# Allegro board RK_NVR_DEMO1_RK3588_LP4XD200P232SD8_V21_20211228_final_lint.brd (continued)
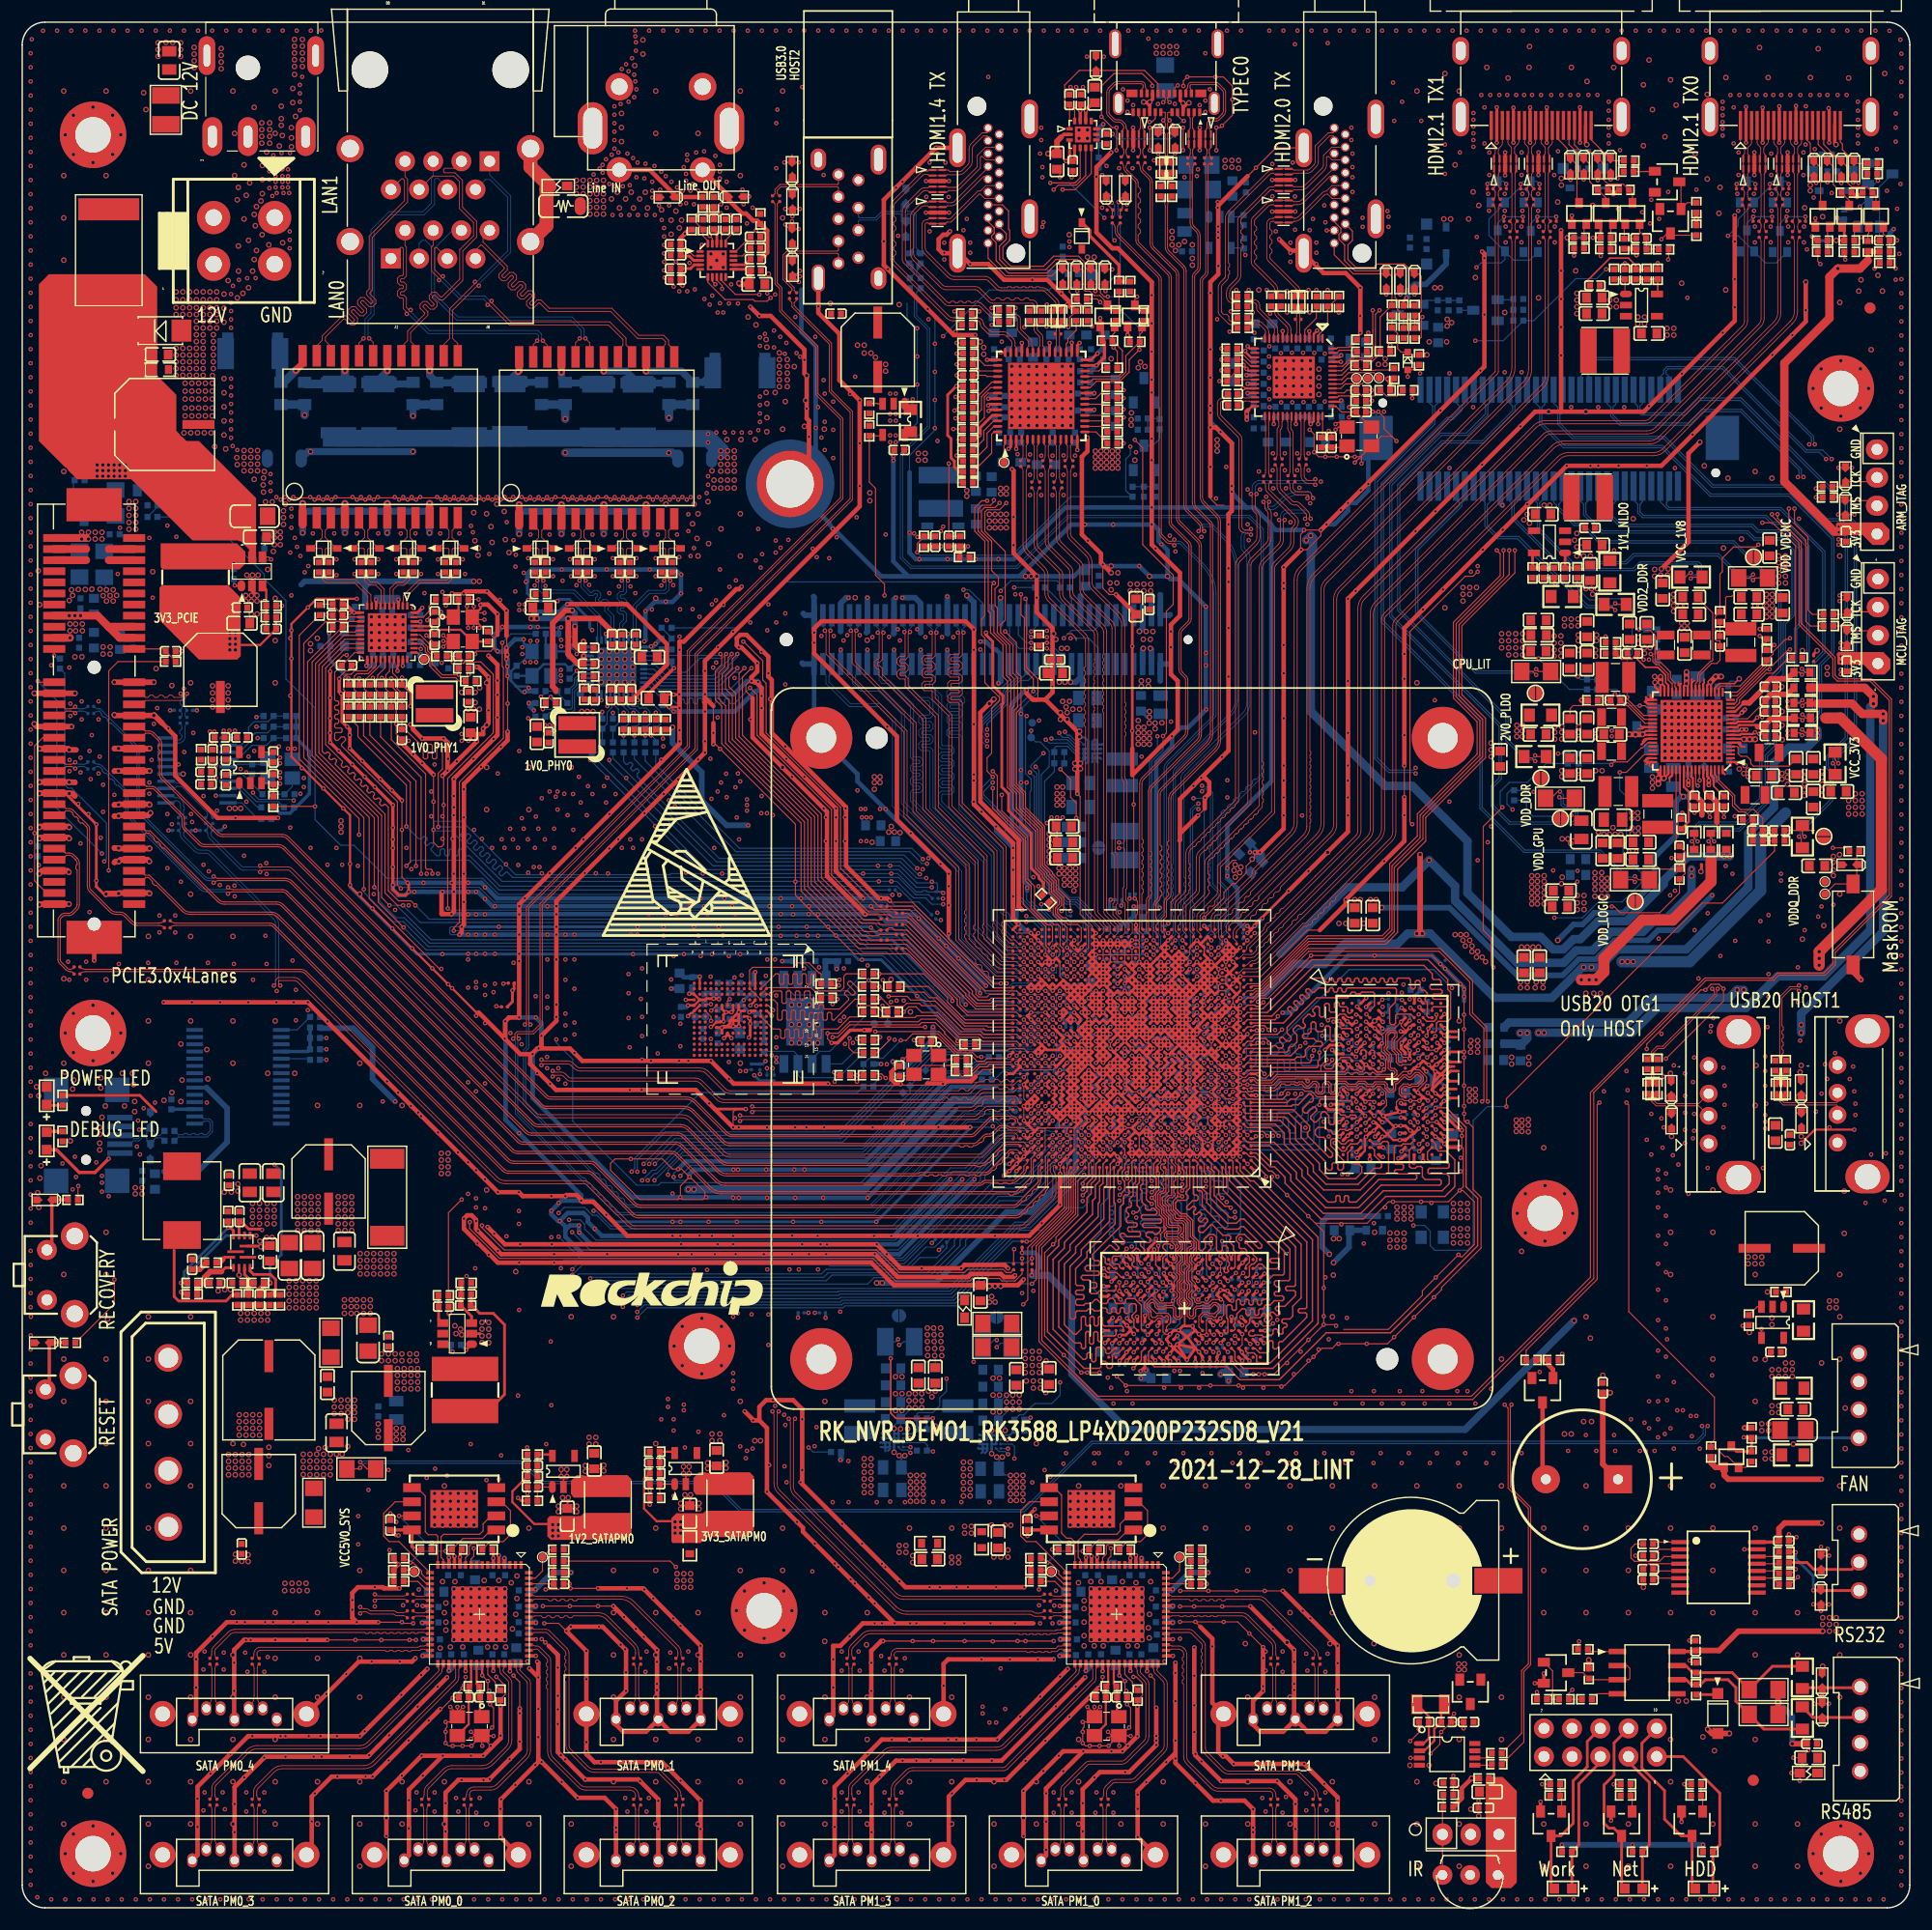
[diagram p0: board, top side]
## Routing (per net, layer and track width the routed paths; a pad name or vN(x,y) marks a point on that pad's centre or on a via; arc(x,y) is an arc through that point) (continued)
  TOP w0.406: 47.44,23.61 48.26,22.79 v1(48.26,21.65) v1(48.26,19.11) v1(48.26,17.89) v1(48.26,16.57) 48.26,14.03 v1(48.54,13.76) v1(48.93,13.37) v1(50.72,11.57) 55.52,11.57 v1(55.67,11.42) 57.31,9.78 v1(57.31,9.64) v1(57.31,7.1) J8201.4 ; v1(106.23,101.86) 106.55,101.86 106.96,101.45 106.96,100.45 v1(106.58,100.07) 106.58,100.02 106.55,99.99 106.55,99.08 ; v1(106.23,101.86) v1(108.11,103.74) 108.68,104.31 108.68,125.62 108.99,125.93 v1(108.99,127.65) v1(108.99,128.17) 108.99,132.02 v1(107.97,133.04) 107.57,133.44 v1(107.06,133.44) ; v1(106.23,101.86) 104.32,99.94 104.32,96.87 ; v1(113.59,28.57) v1(115.38,26.77) v1(116.06,26.09) v1(118.53,23.63) v1(118.53,22.06) v1(118.53,19.68) J8300.1 117.42,15.87 115.83,15.87 J8300.4 ; v1(131.54,149.29) 131.75,149.09 v1(131.75,148.7) v1(131.75,143.62) 131.75,138.93 v1(131.38,138.57) v1(127.79,134.97) v1(120.61,127.79) v1(119.45,126.64) v1(118.81,125.99) v1(117.52,124.71) v1(117.02,124.2) ; v1(36.49,21.54) v1(35.95,20.99) v1(34.16,19.2) v1(30.86,15.9) v1(30.43,15.47) v1(28.36,15.47) v1(26.87,15.47) v1(25.82,15.47) v1(23.72,15.47) v1(23.28,15.47) v1(20.74,15.47) 20.36,15.47 v1(18.76,13.88) v1(16.97,12.08) 15.8,10.91 v1(15.8,9.83) v1(15.8,7.29) 15.8,4.75 J8203.7 ; 45.77,76.95 44.88,76.95 v1(43.48,78.35) ; 45.77,76.95 v1(46,76.95) 46,77.06 46.4,77.46 v1(46.53,77.46) ; 45.77,76.95 45.77,76.07 v1(47.56,74.27) 48.11,73.72 60.68,73.72 v1(61.9,72.51) v1(64.06,70.35) v1(64.56,70.35) v1(67.1,70.35) v1(69.64,70.35) v1(70.66,70.35) v1(72.26,70.35) v1(76.63,70.35) 85.39,70.35 v1(85.41,70.36) ; v1(107.06,133.44) v1(107.06,134.76) v1(107.06,135.41) v1(107.06,137.95) v1(107.06,140.49) v1(107.06,145.57) 107.06,146.55 107.77,147.26 v1(107.77,148) 107.77,153.46 110.41,156.1 ; v1(107.06,133.44) v1(107.06,129.89) 107.06,127.25 ; 12.59,106.81 13.79,105.61 13.79,102.05 17.6,98.24 v1(19.21,98.24) v1(23.05,98.24) ; 42.82,114.75 42.82,116.6 41.94,117.48 41.33,117.48 v1(41.3,117.44) ; J8400.2 v1(6.49,85.4) ; J8301.7 v1(110.91,6.82) v1(110.91,7.23) v1(110.91,8.89) 110.14,9.66 v1(107.99,9.66) 107.29,9.66 v1(105.71,11.25) 103.91,13.05 v1(103.91,13.45) 103.91,13.96 ; 66.42,43.93 67.1,43.25 v1(67.1,37.5) v1(69.81,34.79) 70.35,34.26 70.35,33.91 v1(71.43,32.83) v1(73.22,31.03) v1(75.02,29.24) v1(76.27,27.98) v1(76.81,27.44) v1(78.61,25.65) ; 66.42,43.93 v1(65.86,43.93) 65.89,43.96 v1(65.1,44.75) ; 66.42,43.93 66.42,45.15 67.03,45.76 v1(67.64,45.76) 69.47,45.76 70.28,44.95 v1(70.28,44.04) v1(70.28,39.46) 70.28,38.21 v1(73.87,34.61) v1(75.67,32.82) v1(77.46,31.02) v1(77.78,30.71) v1(79.05,29.44) 79.59,28.9 v1(81.76,28.9) v1(82.67,28.9) v1(85.21,28.9) v1(87.75,28.9) v1(90.29,28.9) ; J8304.4 76.5,17.01 v1(76.5,19.55) v1(76.5,22.09) 76.5,23.16 77.39,24.05 v1(77.57,24.05) ; 103.91,13.96 v1(103.91,15.08) v1(103.91,18.64) v1(103.91,21.18) v1(103.91,22.09) ; 103.91,13.96 v1(103.08,13.13) v1(101.28,11.34) 100.51,10.56 v1(100.51,10.2) v1(100.51,8.92) v1(100.51,6.38) J8302.8 ; v1(51.89,28.8) v1(54.49,28.8) 55.95,28.8 v1(56.06,28.69) v1(56.86,27.89) v1(58.66,26.09) v1(59.33,25.42) v1(61.12,23.63) v1(61.12,22.22) v1(61.12,19.68) J8200.1 60.01,15.87 58.42,15.87 J8200.4 ; v1(72.62,74.29) 64.11,74.29 v1(63.68,74.71) v1(62.05,76.34) v1(59.19,76.34) v1(56.65,76.34) 50.47,76.34 v1(49.76,77.06) 49.35,77.46 v1(46.53,77.46) ; 61.52,109.09 v1(61.52,109.39) v1(61.52,111.5) 61.52,112.39 75.46,126.33 v1(75.46,135.88) 73.63,137.71 73.63,141.88 71.74,143.77 v1(71.74,144.35) v1(71.74,146.89) ; 61.52,109.09 62.28,108.32 ; 61.52,109.09 61.52,108.67 61.54,108.65 61.52,108.63 v1(61.52,107.84) v1(61.52,105.15) v1(61.52,104.13) v1(60.9,103.52) v1(59.72,102.34) v1(59.1,101.72) 48.13,90.75 v1(48.13,90.29) v1(48.13,89.55) v1(48.13,88.43) v1(48.13,87.72) v1(48.13,85.49) v1(48.13,80.31) 48.13,79.95 v1(46.78,78.61) 46.78,77.72 v1(46.53,77.46) ; v1(95.98,132.53) 95.98,131.31 95.48,130.8 95.48,123.79 v1(96.03,123.24) 97.2,122.06 97.2,121.25 v1(97.37,121.09) v2(98.12,120.34) ; v1(27.48,24.15) v1(25.7,24.15) v1(22.81,24.15) v1(20.59,24.15) v1(20.17,24.15) 19.99,24.15 19.1,23.26 v1(19.1,22.09) v1(19.1,19.55) 19.1,17.01 J8204.4 ; 46.51,13.44 46.51,13.15 v1(46.23,12.88) v1(44.44,11.08) v1(43.15,9.8) 43.1,9.75 v1(43.1,8.92) v1(43.1,6.38) J8202.8 ; 46.51,13.44 v1(46.51,15.38) v1(46.51,17.92) v1(46.51,20.77) ; 46.51,13.44 v1(46.81,13.14) v1(48.61,11.34) v1(50.03,9.92) 52.48,9.92 v1(53.5,8.89) v1(53.5,7.23) v1(53.5,6.82) J8201.7 ; J8204.8 v1(27.41,19.27) v1(29.2,21.07) 30.33,22.19 v1(31.48,22.19) v1(34.02,22.19) 35.13,22.19 v1(35.43,22.5) ; v1(34.97,106.67) 35.23,106.42 35.23,106.21 v1(36.04,105.4) v1(37.97,105.4) v1(38.33,105.05) v1(38.33,102.51) ; J8303.7 73.2,4.75 v1(73.2,7.29) v1(73.2,9.83) 73.2,10.91 v1(74.37,12.08) v1(76.17,13.88) 77.46,15.17 v1(78.36,15.17) v1(81.02,15.17) v1(83.44,15.17) v1(84.17,15.17) v1(85.98,15.17) v1(87.86,15.17) v1(89.93,17.24) v1(91.72,19.04) 91.78,19.09 91.78,19.1 v1(93.51,20.84) v1(94.21,21.53) ; J8203.8 26.08,5.25 v1(26.08,7.79) 26.08,10.03 v1(26.37,10.31) 27.89,11.83 v1(28.41,11.83) v1(30.95,11.83) v1(31.57,11.83) v1(33.03,13.29) v1(34.82,15.08) v1(36.62,16.88) v1(37.67,17.92) ; R5531.2 94.84,143.95 94.43,144.36 94.43,144.69 v1(93.62,145.51) 92.37,146.75 v1(91.01,146.75) 88.47,146.75 87.04,148.18 v1(85.42,148.18) 84.44,149.15 J5500.20 82.94,149.15 82.57,149.51 82.57,150.41 82.98,150.82 83.28,150.82 v1(83.59,151.12) ; v1(89.18,129.68) 89.33,129.53 v1(89.33,125.38) v1(89.33,122.84) 89.33,122.12 v2(91.41,120.03) v1(91.41,118.1) 91.41,116.78 92.83,115.36 v1(92.83,110.08) 92.83,109.57 92.17,108.91 ; v1(42.01,112.87) 42.82,112.06 v1(42.82,110.63) v1(42.82,109.34) v1(42.82,107.31) 42.82,105.72 v1(42.46,105.36) v1(40.67,103.57) 38.9,101.8 v1(38.9,101.74) v1(38.9,99.2) v1(38.9,91.58) 38.9,89.8 v1(38.68,89.57) 37.81,89.57 37.78,89.61 37.78,91.5 v1(37.87,91.58) ; 43.64,114.65 v1(43.64,116.93) 41.91,118.66 v1(41.89,118.66) 39.94,118.66 v1(39.77,118.49) ; v1(115.24,122.42) v1(113.66,120.85) v1(113.66,119.42) v1(113.66,118.91) v1(113.66,113.83) v1(113.66,111.29) v1(113.66,107.23) v1(113.66,102.96) v1(113.66,101.61) v1(113.66,100.09) v1(113.66,98.47) 113.66,97.27 v1(111.53,95.14) v1(111.07,95.14) ; v1(33.98,28.8) 32.59,28.8 32.48,28.9 v1(31.77,28.9) 30.25,28.9 29.74,28.39 v1(29.74,27.74) v1(29.74,26.87) 29.74,26.15 v1(30.15,25.75) ; J8204.7 15.67,17.32 v1(15.67,19.86) v1(15.67,22.4) 15.67,22.98 v1(17.15,24.46) 18.44,25.75 v1(19.35,25.75) v1(20.06,25.75) v1(21.89,25.75) v1(22.6,25.75) v1(24.43,25.75) v1(25.7,25.75) v1(27.58,25.75) v1(30.15,25.75) ; J8202.4 38.15,4.35 v1(38.15,6.89) v1(38.15,9.43) 38.15,10.38 39.29,11.52 v1(39.59,11.52) v1(41.56,11.52) 42.04,11.52 v1(42.13,11.61) v1(43.92,13.41) 44.83,14.32 v1(44.83,15) v1(44.83,17.54) v1(44.83,17.98) ; v1(85.87,141.77) 83.94,141.77 v1(81.59,144.12) v1(78,147.71) 77.63,148.08 v1(77.63,150.23) 77.63,153.96 78.61,154.93 v1(78.73,155.06) v1(80.53,156.85) v1(82.32,158.65) J5500.21 ; v1(90.22,56.63) 89.71,56.13 78.53,56.13 76.5,58.16 v1(47.93,58.16) v1(44.78,58.16) 42.85,58.16 39.8,61.21 v1(39.8,62.12) 40.1,62.43 40.49,62.43 40.89,62.02 v1(40.89,61.92) 40.89,61.19 v1(41.07,61.02) v1(42.87,59.22) 43.17,58.92 v1(47.93,58.92) v1(52.7,58.92) v1(59.1,58.92) v1(60.32,58.92) v1(62.41,58.92) v1(64.29,58.92) v1(66.83,58.92) v1(69.37,58.92) v1(70.89,58.92) v1(72.44,58.92) v1(76.82,58.92) 76.83,58.92 78.89,56.86 85.21,56.86 85.49,57.14 88.19,57.14 88.47,56.86 89.3,56.86 v1(89.46,57.02) ; v1(65.61,144.31) v1(66.42,143.5) 67.43,143.5 70.48,140.45 v1(70.48,139.54) 70.48,138.32 v2(70.69,138.12) v1(70.69,135.14) 70.69,134.26 70.89,134.05 v1(70.89,132.6) 70.89,130.06 SMTSO9900.1 ; v1(75.87,79.11) 76.38,79.11 ; J8301.4 v1(114.72,7.1) v1(114.72,9.36) 114.72,9.78 v1(113.08,11.42) v1(108.03,11.42) v1(106.25,13.2) 105.71,13.74 v1(105.71,13.87) 105.61,13.97 v1(105.61,15.84) v1(105.61,18.25) v1(105.61,20.92) v1(105.61,23.46) ; v1(95.6,14.11) v1(93.81,12.32) 92.25,10.76 v1(92.25,10.31) v1(92.25,7.77) v1(92.25,5.23) 92.25,4.71 J8302.7 ; v1(95.6,14.11) 93.8,14.11 v1(93.39,13.71) v1(92.01,12.33) v1(90.22,10.53) v2(90.22,8.12) v1(90.22,6.47) ; v1(95.6,14.11) v1(98.14,14.11) v1(99.13,14.11) v1(99.62,14.6) v1(100.48,15.46) v1(100.48,18.13) ; v1(46.51,20.77) 46.51,22.09 v1(46.4,22.19) ; v1(46.51,20.77) v1(45.69,21.58) ; v1(43.48,78.35) 41.12,80.71 ; v1(43.48,78.35) 43.52,78.39 v1(43.52,79.92) 43.86,80.26 v1(44.78,80.26) v1(44.78,85.34) v1(44.78,86) v1(44.78,87.72) v1(44.78,89.55) v1(44.78,90.29) 44.78,90.47 45.29,90.97 v1(45.29,91) 45.31,91 v1(52.91,98.59) 59.23,104.92 v1(59.23,105.15) v1(59.23,106.16) v1(59.23,108.15) 59.23,108.63 59.21,108.65 59.23,108.68 v1(59.23,113.4) 59.23,114.14 59.61,114.14 64.34,118.86 64.59,118.86 v1(64.82,119.09) ; 104.32,96.87 104.34,96.87 v1(105.94,98.47) ; 104.32,96.87 104.32,96.26 104.27,96.21 ; v1(83.49,87.83) v1(83.49,90.37) v1(83.49,93.21) 83.49,93.41 80.09,96.81 80.09,96.83 v1(80.07,96.86) 80.07,96.83 78.81,98.09 78.81,105.61 v1(77.95,106.47) 71.35,113.07 v1(71.35,114.04) v1(71.35,114.95) 71.35,115.31 72.01,115.97 85.02,115.97 v1(85.75,115.23) v1(85.75,113.4) v1(85.75,106.7) v1(85.75,102.16) v1(85.75,101.62) 85.75,99.48 89.27,95.96 v1(89.27,94.63) v1(89.27,93.57) v1(89.27,91.18) 89.27,89.2 v1(89.78,88.7) ; v1(98.12,158.23) 96.8,156.91 v1(96.8,156.05) 96.8,151.02 98.22,149.6 98.73,149.6 101.78,146.55 v1(101.78,145.36) v1(101.78,142.82) v1(101.78,140.28) v1(101.78,137.74) v1(101.78,124.71) 101.78,122.88 v1(102.12,122.53) 104.32,120.34 104.32,116.48 103.5,115.66 103.5,111.19 104.11,110.58 104.11,106.21 100.02,102.13 100.02,104.49 ; J8303.8 83.49,5.25 83.49,10.03 v1(83.77,10.31) 84.99,11.52 v1(86.01,11.52) v1(88.48,11.52) 88.67,11.52 v1(90.4,13.26) v1(92.2,15.05) v1(94.36,17.21) 96.95,19.8 v1(97.08,19.8) ; v1(120.57,141.98) v1(120.57,143.5) v1(120.57,146.04) 119.25,147.36 117.26,147.36 J5100.20 115.24,149.38 114.29,149.38 v1(113.26,150.41) ; v1(40.94,111.85) 41.1,111.85 v1(42.01,110.94) v1(42.01,107.94) 42.01,106.77 v1(41.53,106.29) 41.53,105.79 40.96,105.79 v1(40.96,105.14) v1(39.16,103.34) v1(38.33,102.51) ; 116.91,88.13 119.25,90.47 v1(119.25,90.87) v1(122.72,94.35) 124.53,96.16 v1(124.53,98.49) v1(124.53,100.12) ; 79.14,74.29 78.71,74.29 78.31,74.69 78.31,75.33 78.86,75.88 C1102.2 ; v1(37.89,13.71) v1(36.1,11.91) 34.85,10.66 v1(34.85,9.7) v1(34.85,7.16) 34.85,4.71 J8202.7 ; v1(37.89,13.71) v1(35.99,13.71) v1(34.19,11.91) v1(32.81,10.53) v2(32.81,8.12) v1(32.81,6.47) ; v1(37.89,13.71) v1(40.43,13.71) v1(41.54,13.71) 43.1,15.27 v1(43.1,15.52) v1(43.1,18.15) ; v1(12.75,81.63) v1(15.29,81.63) v1(17.83,81.63) v1(20.37,81.63) v1(22.91,81.63) v1(24.46,81.63) v1(25.74,81.63) v1(32.87,74.5) v1(33.88,73.49) v1(35.67,71.69) v1(37.47,69.9) v1(39.27,68.1) v1(42.86,64.51) v1(44.75,64.51) 45.11,64.15 v1(47.67,64.15) v1(48.94,64.15) 49.05,64.25 49.96,64.25 50.37,63.85 v1(50.37,63.75) 50.47,63.64 51.46,63.64 v1(52.63,62.48) 54.53,60.57 v1(58.6,60.57) v1(59.31,60.57) v1(62.15,60.57) v1(64.06,60.57) v1(71.68,60.57) v1(76.76,60.57) v1(78.31,60.57) v1(80.69,60.57) v1(87.65,60.57) 90.73,60.57 v1(91.87,61.71) v1(93.52,63.37) v1(93.52,66.16) ; v1(53.26,27.2) v1(54.23,26.23) 55.29,25.16 v1(55.29,25.14) v1(56.01,24.42) v1(57.2,23.23) v1(57.2,22.17) v1(57.2,20.19) v1(57.2,19.63) 57.2,17.09 J8200.4 ; J8300.4 113.61,15.87 111.55,15.87 110.91,16.51 J8300.7 110.91,18.65 v1(111.81,19.55) v1(111.81,19.97) v1(111.81,22.51) v1(111.81,23.49) ; J8300.4 114.6,17.09 v1(114.6,19.63) v1(114.6,20.19) v1(114.6,22.17) v1(114.6,23.23) v1(112.7,25.14) v1(110.67,27.17) ; C6823.2 34.21,105 v1(34.41,104.79) v1(35.23,103.98) v1(36.04,103.17) v1(37.06,102.15) ; v2(160.7,146.55) v1(160.7,144.01) 160.7,142.99 v1(159.49,141.78) v1(157.69,139.98) v1(150.51,132.8) 147.7,129.99 v1(146.38,129.99) v1(143.84,129.99) v1(142.01,129.99) v1(141.3,129.99) v1(139.16,129.99) v1(133.4,124.23) v1(131.61,122.43) v1(128.01,118.84) v1(126.22,117.04) 124.53,115.36 v1(124.53,113.02) v1(124.53,110.79) v1(124.53,105.71) v1(124.53,102.96) ; v1(78.15,90.8) 77.95,91 v1(77.39,91) 77.17,91 74.23,93.93 74.23,99.09 74.22,99.1 v1(74.19,99.1) 74.22,99.13 74.22,99.23 67.54,105.91 67.54,110.69 67.23,110.99 v1(67.23,111.29) 67.23,112.78 65.27,114.75 64.69,114.75 64.39,114.44 64.39,113.81 v1(64.56,113.63) 64.79,113.63 v1(66.23,112.2) 66.23,111.45 65.71,110.93 v1(65.71,110.58) 65.86,110.58 65.96,110.48 66.11,110.48 66.62,109.97 v1(66.62,109.24) v1(66.62,108.15) 66.62,105.81 v1(73.33,99.1) v1(73.33,98.29) v1(73.33,96.16) 73.33,93.44 v1(75.77,91) ; J8200.4 56.2,15.87 54.15,15.87 53.5,16.51 J8200.7 53.5,18.65 v1(54.4,19.55) v1(54.4,21.22) 54.4,23.23 v1(54.33,23.31) v1(53.92,23.71) 52.3,25.34 v1(51.97,25.34) v1(49.43,25.34) v1(49.04,24.94) v1(50.83,23.15) 50.83,23.15 v1(50.83,20.61) J8200.9 v1(50.83,14.94) v1(50.83,14.11) 50.83,13.86 51.56,13.13 v1(52.14,13.13) v1(54.48,13.13) v1(57.42,13.13) 57.65,13.13 v1(58.16,12.62) v1(59.33,11.45) v1(61.12,9.66) v1(61.12,7.1) J8201.1 ; v1(38.28,20.77) v1(37.43,19.92) v1(35.63,18.13) v1(33.06,15.55) v1(31.27,13.76) 31.13,13.62 v1(29.51,13.62) v1(26.97,13.62) v1(26.26,13.62) v1(23.72,13.62) 21.88,13.62 v1(21.8,13.54) v1(20,11.74) 19.13,10.87 v1(19.13,9.36) v1(19.13,6.82) v1(19.13,4.28) ; 92.17,108.91 92.2,108.91 95.07,106.04 v1(95.07,100.42) ; 92.17,108.91 91.06,108.91 90.5,109.47 v1(90.5,109.77) ; v1(78.61,25.65) v1(77.47,25.65) v1(76.81,25.65) 75.74,25.65 v1(74.56,24.46) 73.71,23.61 73.07,23.61 v1(73.07,22.4) v1(73.07,19.86) 73.07,17.32 J8304.7 ; v1(78.61,25.65) v1(80.01,25.65) v1(80.57,25.65) v1(83.11,25.65) v1(84.88,25.65) v1(89.46,25.65) 91.11,25.65 ; v1(138.66,151.22) v1(138.66,147.57) v1(138.66,145.03) v1(138.66,142.49) v1(138.66,139.95) 138.66,134.87 ; v1(43.64,113.58) v1(43.64,112.56) ; v1(39.39,87.72) 39.6,87.93 v1(39.6,88.43) 39.8,88.64 v1(39.8,90.67) v1(39.8,93.21) v1(39.8,98.29) v1(39.8,100.83) 39.8,101.31 v1(41.34,102.85) v1(43.14,104.65) 43.74,105.25 v1(43.74,106.01) ; R5114.2 v1(123.26,140.86) ; 138.66,134.87 v2(140.89,134.87) 146.11,134.87 v1(149.55,138.3) v1(153.22,141.98) 154.3,143.06 v1(154.3,144.28) v1(154.3,146.82) v1(154.3,150.21) v1(154.3,152.54) ; 138.66,134.87 v2(137.54,134.87) 136.32,134.87 v1(135,133.55) v1(131.54,130.09) v1(127.34,125.89) v1(125.54,124.09) v1(120.16,118.7) v1(119.45,118) v1(119.45,110.58) v1(119.45,105.91) v1(119.45,102.96) v1(119.45,101.61) v1(119.45,100.09) v1(119.45,98.47) 119.45,97.01 v1(115.9,93.45) v1(114.1,91.65) ; 65.81,109.06 65.81,105.5 v1(69.37,101.95) v1(72.21,99.1) 72.51,98.8 72.51,93 v1(75.94,89.57) 75.95,89.57 75.99,89.53 ; v1(38.33,102.51) v1(37.87,102.05) ; J8301.1 v1(118.53,7.1) v1(118.53,9.66) 118.53,9.96 v1(117.31,11.18) v1(115.52,12.97) v1(111.83,12.97) v1(109.17,12.97) 108.48,13.66 v1(108.18,13.66) 107.77,14.06 107.77,17.01 J8300.9 107.24,18.48 v1(107.24,21.02) v1(107.24,23.56) 107.24,24.25 106.14,25.34 ; v1(92.94,22.39) v1(91.53,22.39) v1(88.99,22.39) v1(86.45,22.39) 83.42,22.39 83.02,21.99 v1(83.02,20.02) J8304.8 ; v1(32.08,25.75) v1(30.15,25.75) ; 62.28,106.8 v1(62.28,105.91) v1(62.28,104.89) ; J8303.4 v1(76.54,6.82) v1(76.54,9.36) 76.54,11.08 v1(77.25,11.79) 78.73,13.26 v1(79.32,13.26) v1(80.57,13.26) v1(81.86,13.26) v1(83.82,13.26) v1(84.82,13.26) v1(87.36,13.26) 88.24,13.26 v1(93.14,18.16) v1(94.93,19.95) v1(95.77,20.79) ; 85.9,74.92 85.49,74.52 83.28,74.52 83.08,74.31 81.56,74.31 ; v1(102.18,18.03) v1(102.18,15.49) v1(102.18,15.08) v1(102.18,14.67) 99.74,12.23 v1(99.37,12.23) 97.1,12.23 v1(96.61,11.74) 95.55,10.69 v1(95.55,9.43) v1(95.55,6.89) 95.55,4.35 J8302.4 ; v1(98.56,118.39) C4700.2 ; v1(76.48,90.29) 76.5,90.26 ; v1(41.93,61.37) v1(42.53,60.77) 43.5,59.81 v1(44.88,59.81) v1(47.72,59.81) v1(62.66,59.81) v1(64.06,59.81) v1(70.28,59.81) v1(71.93,59.81) v1(77.01,59.81) v1(77.9,58.92) 79.17,57.65 v1(81.05,57.65) v1(84.61,57.65) 84.91,57.95 88.52,57.95 v1(88.82,57.65)
  TOP w0.508: v2(1.52,93.21) 1.79,93.48 J8400.B29 4.08,93.48 v2(4.2,93.35) ; v2(1.55,100.45) 1.58,100.48 J8400.B22 4.21,100.48 v2(4.24,100.45) 4.52,100.45 4.75,100.22 ; v2(1.57,104.48) J8400.B18 4.15,104.48 v2(4.24,104.39) 4.85,104.39 ; v2(1.09,106.72) 1.33,106.48 J8400.B16 v2(4.44,106.48) ; v2(4.75,109.48) J8400.B13 v2(1.09,109.48) ; SW1500.2 164.97,84.37 v1(165.68,83.66) ; v2(4.21,90.48) J8400.B32 1.61,90.48 v2(1.55,90.42) ; v2(1.55,101.47) 1.56,101.48 J8400.B21 4.22,101.48 v2(4.24,101.47) 4.72,101.47 4.75,101.44 ; 12.59,106.81 11.89,107.51 11.89,107.51 v2(11.86,107.48) J8400.A15 8.36,107.48 v2(8.3,107.54) ; v2(11.48,95.5) 11.46,95.48 J8400.A27 8.73,95.48 v2(8.68,95.52) 8.33,95.52 8.3,95.55 ; v2(1.55,96.39) 1.64,96.48 J8400.B26 4.14,96.48 v2(4.24,96.39) ; v2(11.86,110.48) J8400.A12 v2(8.3,110.48) ; v2(11.48,91.43) 11.43,91.48 J8400.A31 8.73,91.48 v2(8.68,91.43) 7.61,91.43 v2(7.56,91.38) ; v2(1.55,97.4) 1.63,97.48 J8400.B25 4.16,97.48 v2(4.24,97.4) ; v2(11.48,104.51) 11.45,104.48 J8400.A18 8.72,104.48 v2(8.68,104.51) 8.33,104.51 8.3,104.49 ; 8.3,99.41 8.33,99.43 v2(8.68,99.43) 8.73,99.48 J8400.A23 11.43,99.48 v2(11.48,99.43) ; 8.3,94.23 8.41,94.33 v2(8.71,94.33) 8.86,94.48 J8400.A28 11.3,94.48 v2(11.45,94.33) ; 8.3,98.39 8.33,98.42 v2(8.68,98.42) 8.75,98.48 J8400.A24 11.34,98.48 v2(11.55,98.7) ; v2(11.48,102.48) 11.48,102.48 J8400.A20 8.69,102.48 v2(8.68,102.48) 8.33,102.48 8.3,102.46
  L2-GND1 w0.102: 112.7,93.76 111.69,94.78 111.64,94.78 111.28,95.13 111.28,95.19 110.93,95.54 103,95.54 102.8,95.34
  L2-GND1 w0.406: 84.92,61.35 84.81,61.35 82.22,63.94 82.22,67.65 81.72,68.16
  L4-S1 w0.102: v1(67.84,145.43) 67.74,145.53 v1(67.13,145.53) 67.03,145.43 67.03,145.03 67.94,144.11 68.04,144.11 ; 159.28,98.9 159.69,99.31 159.69,103.47 159.99,103.78 159.99,112.92 v2(160.4,113.33) ; v1(41.93,61.37) 41.46,60.9 41.22,60.9 40.89,61.23 v1(40.89,61.92) ; v1(65.2,40.53) 65.25,40.58 65.5,40.58 65.91,40.99 65.91,41.29 v1(65.81,41.39) 65.4,41.8 65.4,43.43 65.89,43.91 v1(65.86,43.93) ; v1(147.39,42.41) 147.5,42.31 148.31,42.31 148.51,42.51 v1(148.51,43.22) ; 61.15,146.36 61.03,146.47 61.03,148.68 60.58,149.14 60.58,149.75 60.42,149.9 59.71,149.9 59.61,149.8 59.61,148.79 v1(60.12,148.28) ; 158.47,112.92 159.59,111.8 159.59,104 159.06,103.47 ; 63.04,111.85 63.17,111.98 63.17,112.39 62.91,112.64 62.41,112.64 62.25,112.49 ; 62.28,111.37 62.15,111.5 62.15,111.7 v1(62.25,111.8) 62.15,111.9 62.15,112.39 62.25,112.49 ; v1(50.16,61.51) 50.16,60.7 49.86,60.39 49.45,60.39 49.15,60.7 49.15,61.38 49.76,61.99 49.76,63.34 49.45,63.64 ; 62.25,112.49 62.25,113.23 ; 62.28,107.82 62.15,107.69 62.15,106.93 62.28,106.8
  L4-S1 w0.254: v1(67.84,145.43) 69.26,144.01 ; 163.04,90.26 v1(163.19,90.42) v2(163.19,93.05) v2(163.19,93.55) v2(163.19,94.27) v2(163.19,94.77) ; 61.54,108.65 61.52,108.67 v1(61.52,109.39) v1(61.52,111.5) 61.52,113.64 69.66,121.79 70.5,121.79 v1(71.23,122.51) v1(73.03,124.31) 74.6,125.88 v1(74.6,136.47) 74.6,137.56 68.04,144.11
  L4-S1 w0.406: 63.04,111.85 63.04,108.7 63.98,107.76 63.98,104.46 v1(60.54,101.02) v1(58.81,99.29) v1(57.02,97.5) 49.76,90.24 v1(49.76,87.72) v1(49.76,85.49) v1(49.76,82.85) v1(49.76,79.8) v1(49.76,78.73) v1(49.76,77.06) 49.76,64.46 50.37,63.85 v1(50.37,63.75) 50.37,61.71 v1(50.16,61.51) ; v1(65.72,53.5) v1(61.71,57.51) 59.4,59.82 v1(59.37,59.82) 59.37,59.85 59.31,59.91 v1(59.31,60.57) v1(59.31,61.84) v1(59.31,64.05) 59.31,65.07 v1(60.12,65.88) 60.12,66.18 59.71,66.59 v1(59.1,66.59) 58.8,66.29 58.8,65.98 v1(58.7,65.88) 58.7,65.57 58.6,65.47 v1(58.6,64.38) v1(58.6,61.84) v1(58.6,60.57) 58.6,59.47 v1(60.52,57.55) v1(64.49,53.58) 65.1,52.97 v1(65.1,44.75) 64.69,44.34 v1(64.69,41.6) 64.69,41.04 v1(65.2,40.53) ; v2(160.4,113.33) 159.79,113.94 158.98,113.94 ; 61.54,108.65 61.52,108.63 v1(61.52,107.84) v1(61.52,105.15) 47.32,90.95 v1(47.32,90.29) v1(47.32,87.72) v1(47.32,85.49) v1(47.32,82.14) v1(47.32,81.12) 47.32,80.21 44.98,77.87 44.98,77.82 ; 48.23,100.73 48.23,100.83 48.52,101.12 49.16,101.12 49.55,100.73 49.55,100.47 v1(49.63,100.4) ; 48.23,100.73 47.83,101.13 47.22,101.13 46.81,100.73 v1(46.81,100.02) v1(45.01,98.22) 40.17,93.38 v1(40.17,92.42) v1(40.17,91.58) v1(40.17,89.55) v1(40.17,87.72) v1(40.17,86) v1(40.17,85.49) v1(40.17,82.95) v1(40.17,74.41) v1(40.17,67.2) v1(40.17,64.36) 40.17,62.7 39.8,62.32 v1(39.8,62.12) 39.8,61.61 40.16,61.25 40.74,61.25 40.89,61.41 ; 48.23,100.73 v1(48.23,100.63) 48.23,100.32 v1(48.08,100.17) v1(46.28,98.37) 40.89,92.98 v1(40.89,91.58) v1(40.89,89.55) v1(40.89,87.72) v1(40.89,86) v1(40.89,83.46) v1(40.89,82.95) v1(40.89,80.41) v1(40.89,73.6) v1(40.89,66.49) v1(40.89,63.95) v1(40.89,63.14) v1(40.89,61.92) ; v1(157.86,113.83) 157.96,113.94 158.98,113.94 ; v1(41.93,61.37) 41.93,62.83 v1(41.7,63.06) v1(41.7,65.68) v1(41.7,74.31) v1(41.7,79.75) v1(41.7,82.29) ; v1(49.63,100.4) v1(48.23,99) 41.7,92.47 v1(41.7,91.99) v1(41.7,90.95) v1(41.7,89.55) v1(41.7,87.72) v1(41.7,86) v1(41.7,83.15) v1(41.7,82.29) ; v1(49.63,100.4) v1(51.38,100.4) v1(53.46,100.4) v1(57.77,104.7) v1(59.23,106.16) v1(59.23,108.15) 59.23,108.63 59.21,108.65 59.23,108.68 v1(59.23,113.4) v1(59.23,114.59) v1(61.03,116.38) v1(62.14,117.5) v1(62.51,117.86) v1(63.72,119.07) v1(64.3,119.66) v1(66.1,121.45) v1(66.67,122.02) v1(67.89,123.25) 68.72,124.07 69.55,124.07 72.31,126.83 v1(72.31,131.41) v1(72.31,133.95) v1(72.31,136.49) v1(68.72,140.08) v1(66.92,141.88) 65,143.81 v1(63.17,143.81) 62.69,143.81 60.18,146.32 60.18,148.22 v1(60.12,148.28) ; 158.47,112.92 158.47,113.43 158.98,113.94 ; v1(147.39,42.41) v1(147.39,45.66) v1(147.39,47.9) v1(147.39,52.98) v1(147.39,58.06) v1(147.39,60.6) v1(147.39,63.14) v1(147.39,65.68) v1(147.39,66.51) v1(148.72,67.84) v1(149.81,68.93) v1(149.81,70.14) v1(149.81,75.22) 149.81,78.88 152.07,81.14 155.42,81.14 156.62,82.34 156.62,84.25 156.64,84.27 156.62,84.29 v1(156.62,88.94) 156.62,97.42 159.06,99.86 v2(159.06,101.28) v2(159.06,101.91) v2(159.06,102.42) 159.06,103.47 ; v1(48.44,61.92) 48.84,62.32 48.84,63.03 v1(48.33,63.54) 47.72,64.15 v1(47.67,64.15) 47.67,64.2 44.75,67.12 44.75,77.59 44.98,77.82 ; v1(48.94,64.15) v1(48.94,74.29) v1(48.94,78.27) v1(48.94,79.54) v1(48.94,80.61) v1(48.94,83.66) v1(48.94,85.49) v1(48.94,87.72) 48.94,90.51 v1(51.69,93.26) v1(58.27,99.84) 60.21,101.78 v1(60.21,101.8) v1(62.01,103.59) v1(62.88,104.47) 63.17,104.75 63.17,107.56 62.28,108.45 ; v1(48.94,64.15) 49.45,63.64 ; v1(48.94,64.15) 46,67.1 v1(46,76.95) 46,77.82 v1(46.78,78.61) 48.13,79.95 v1(48.13,80.31) v1(48.13,85.49) v1(48.13,87.72) v1(48.13,88.43) v1(48.13,89.55) v1(48.13,90.29) 48.13,90.72 v1(50.7,93.29) v1(56.08,98.67) v1(57.81,100.4) 59.1,101.69 v1(59.1,101.72) v1(59.72,102.34) v1(60.9,103.52) v1(61.52,104.13) v1(62.28,104.89) v1(62.28,105.91) 62.28,106.8 ; 62.28,108.45 62.28,107.82 ; 62.28,108.45 62.28,111.37 ; 44.98,77.82 v1(45.01,77.84) ; 159.28,98.9 157.35,96.97 v1(157.35,89.49) v1(157.35,87.11) v1(157.35,84.17) 157.35,81.65 J2502.5 154.64,78.99 v1(152.1,78.99) 150.95,78.99 150.54,78.58 v1(150.54,74.44) v1(150.54,69.36) 150.54,68.62 v1(148.11,66.18) v1(148.11,64.92) v1(148.11,62.38) v1(148.11,59.84) v1(148.11,57.3) v1(148.11,54.76) v1(148.11,52.22) v1(148.11,49.68) 148.11,44.34 148.51,43.93 v1(148.51,43.22) ; 62.25,113.23 v1(64.05,115.02) 70.08,121.05 70.89,121.05 v1(71.59,121.75) v1(73.39,123.55) v1(75.19,125.34) 75.46,125.62 75.46,137.61 v1(75.05,138.02) v1(71.46,141.61) v1(69.66,143.41) 69.26,143.81 69.26,144.01 ; v1(41.7,82.29) 42.03,81.97 42.65,81.97 43,82.32 43,82.89 v1(42.59,83.3) v1(42.59,86) v1(42.59,87.72) v1(42.59,90.29) 42.59,91.91 v1(44.69,94.01) v1(50.32,99.64) v1(52.61,99.64) 53.72,99.64 v1(57.58,103.5) v1(59.23,105.15) 59.99,105.91 59.99,114.27 v1(63.18,117.45) v1(64.82,119.09) v1(66.54,120.81) v1(68.33,122.61) v1(69.03,123.31) 69.87,123.31 73.07,126.51 v1(73.07,130.69) v1(73.07,133.23) v1(73.07,135.77) 73.07,136.85 v1(70.1,139.82) v1(68.31,141.61) 65.3,144.62 v1(64.49,144.62) v1(63.68,144.62) 62.89,144.62 v1(62.17,145.33) 61.15,146.36
  L6-S2 w0.089: 110.27,65.92 109.27,66.92 108.57,66.92 108.45,67.05 ; 95.52,65.92 v1(95.68,66.08) 96.33,66.73 96.33,66.81 96.75,67.23 v1(96.75,67.71) v1(96.75,68.36) 96.84,68.36 97.4,68.92 v1(97.4,69.01) v1(98.05,69.66) v1(98.7,69.66) v1(99.35,70.31) ; 111.54,82.42 111.36,82.24 110.92,82.24 110.04,81.36 v1(109.75,81.36) v1(109.1,81.36) 108.13,80.39 108.13,80.2 108.12,80.2 108.12,79.93 108.45,79.6 v1(108.45,79.41) ; 108.88,65.81 108.53,66.16 108.32,66.16 106.86,67.62 106.86,68.57 106.5,68.93 v1(106.5,69.01) ; 107.11,76.7 106.91,76.7 106.75,76.55 106.32,76.55 106.17,76.4 106.17,75.73 106.39,75.51 v1(106.5,75.51) 105.94,74.96 105.94,74.31 v1(105.85,74.21) 105.85,73.1 104.72,71.98 104.72,71.98 104.68,71.94 104.03,71.94 102.92,71.94 v1(102.6,71.61) v1(101.3,71.61) ; 107.11,76.7 107.8,77.39 v1(107.8,77.46) 107.97,77.46 108.45,77.94 v1(108.45,78.11) v1(108.45,78.76) v1(108.45,79.41) ; 107.11,76.7 107.41,76.7 107.77,77.06 ; 111.54,67.07 110.24,68.36 v1(109.75,68.36) ; v1(99.35,70.31) 99.35,70.24 100,69.59 v1(100,69.01) v1(100,68.36) v1(100,67.71) 100,65.92 99.81,65.74 v1(99.57,65.74) ; v1(99.35,70.31) v1(99.35,70.96) v1(100,71.61) v1(100.65,71.61) v1(101.3,71.61) ; 111.54,76.57 111.49,76.57 111.49,76.58 110.28,76.58 110.05,76.81 v1(109.75,76.81) ; v1(101.3,71.61) 100.97,71.29 100.97,70.64 v1(101.3,70.31) v1(101.3,69.66) 100.89,69.25 100.89,68.12 v1(101.3,67.71) 101.3,65.92 ; v1(108.45,67.71) 108.45,67.05 ; 108.45,67.05 107.8,67.7 v1(107.8,67.71) ; 111.54,70.84 108.74,70.84 108.45,70.55 v1(108.45,70.31) ; v1(108.45,79.41) 108.64,79.21 110.26,79.21 111.25,80.21 111.54,80.21 ; v1(97.4,67.71) 97.4,67.23 97.08,66.91 97.08,65.92 ; 111.54,77.29 111.49,77.29 111.49,77.28 110.57,77.28 v1(109.75,78.11) ; v1(105.85,67.71) 105.92,67.71 106.2,67.43 106.2,67.19 107.47,65.92 ; 97.97,65.92 97.97,66.29 98.35,66.67 98.35,67.36 v1(98.7,67.71) ; 111.54,71.61 v1(109.75,71.61) ; 111.54,80.92 110.6,80.92 v1(109.75,80.06) ; v1(109.75,69.66) 109.75,69.38 109.9,69.23 110.42,69.23 111.54,68.11